# Altium PCB NODE_ABZ.PcbDoc (part 1 of 2)
Units mm, origin at the board's own origin, x right, y up, seen from the top; angles counter-clockwise.
Board outline 34 x 50 mm, 4 copper layers (Top Layer, GND, PWR, Bottom Layer), stack 1.57 mm thick; 73 components, 55 nets, 274 pads, 253 vias.
Unrouted connection lines stored in the file: 1.
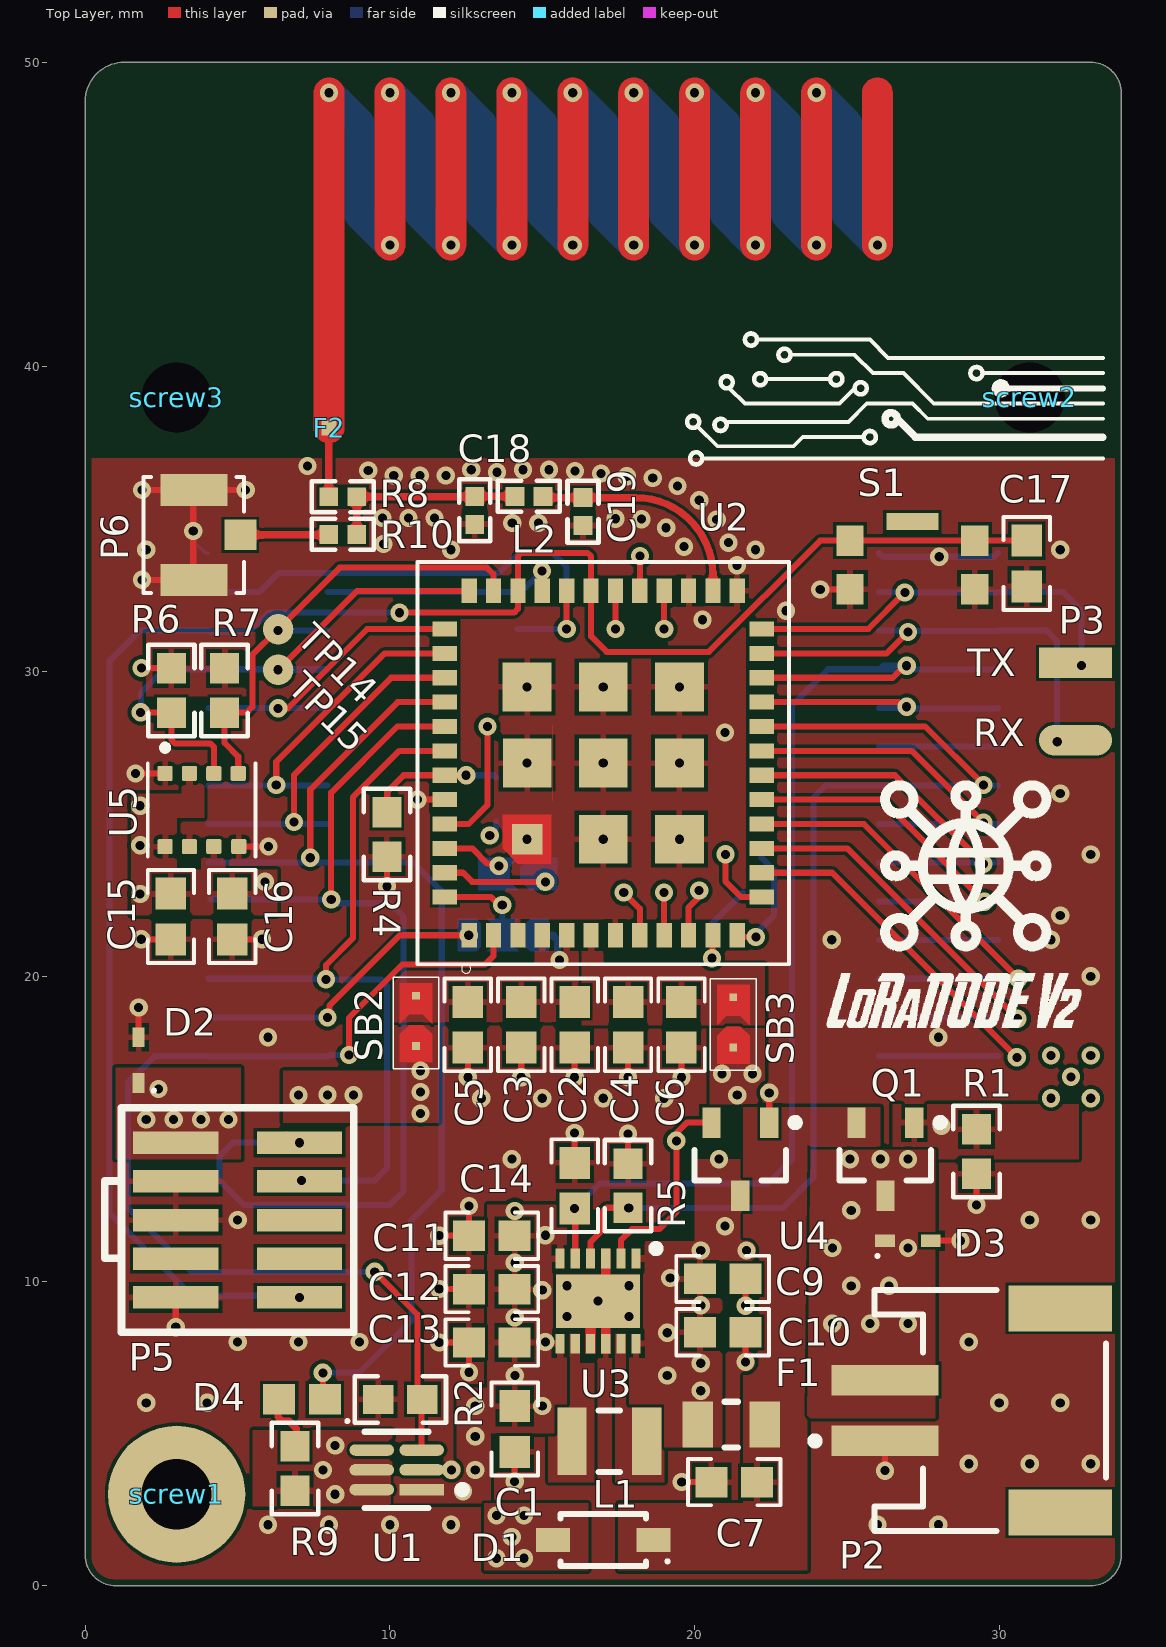
[diagram p0: Top Layer view]
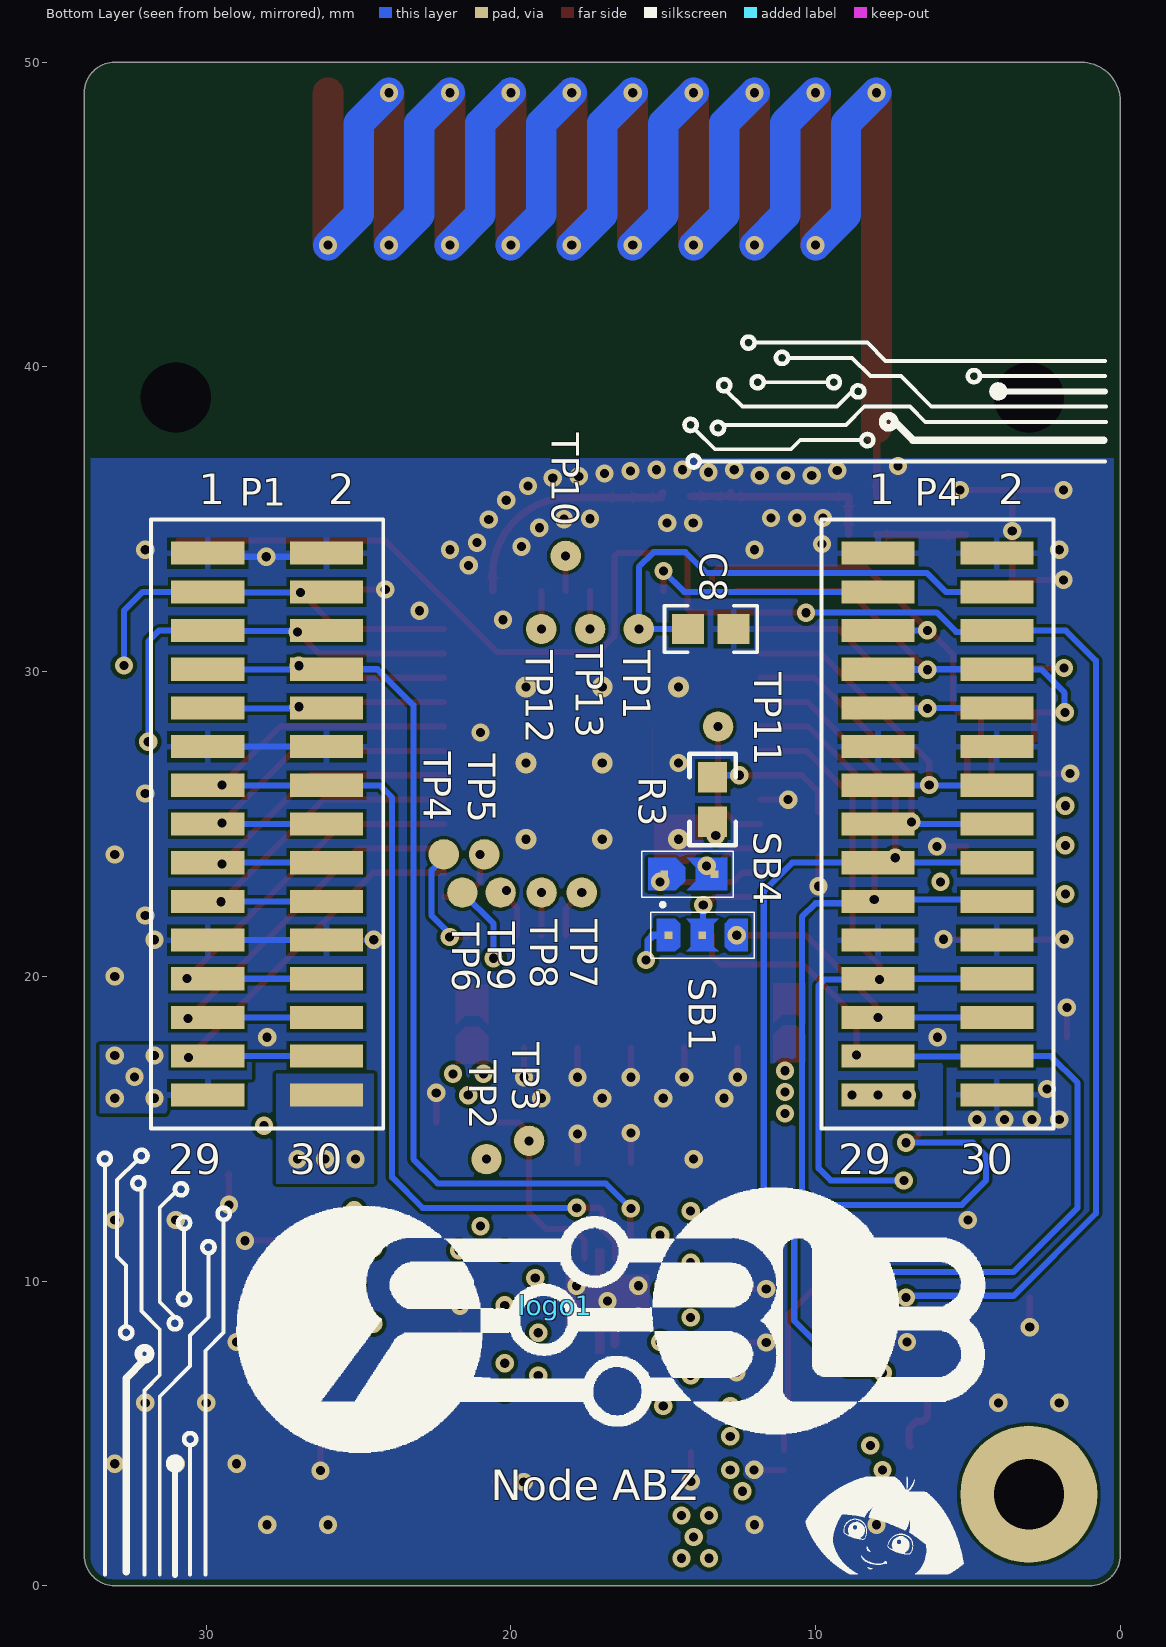
[diagram p1: Bottom Layer view, seen from below]
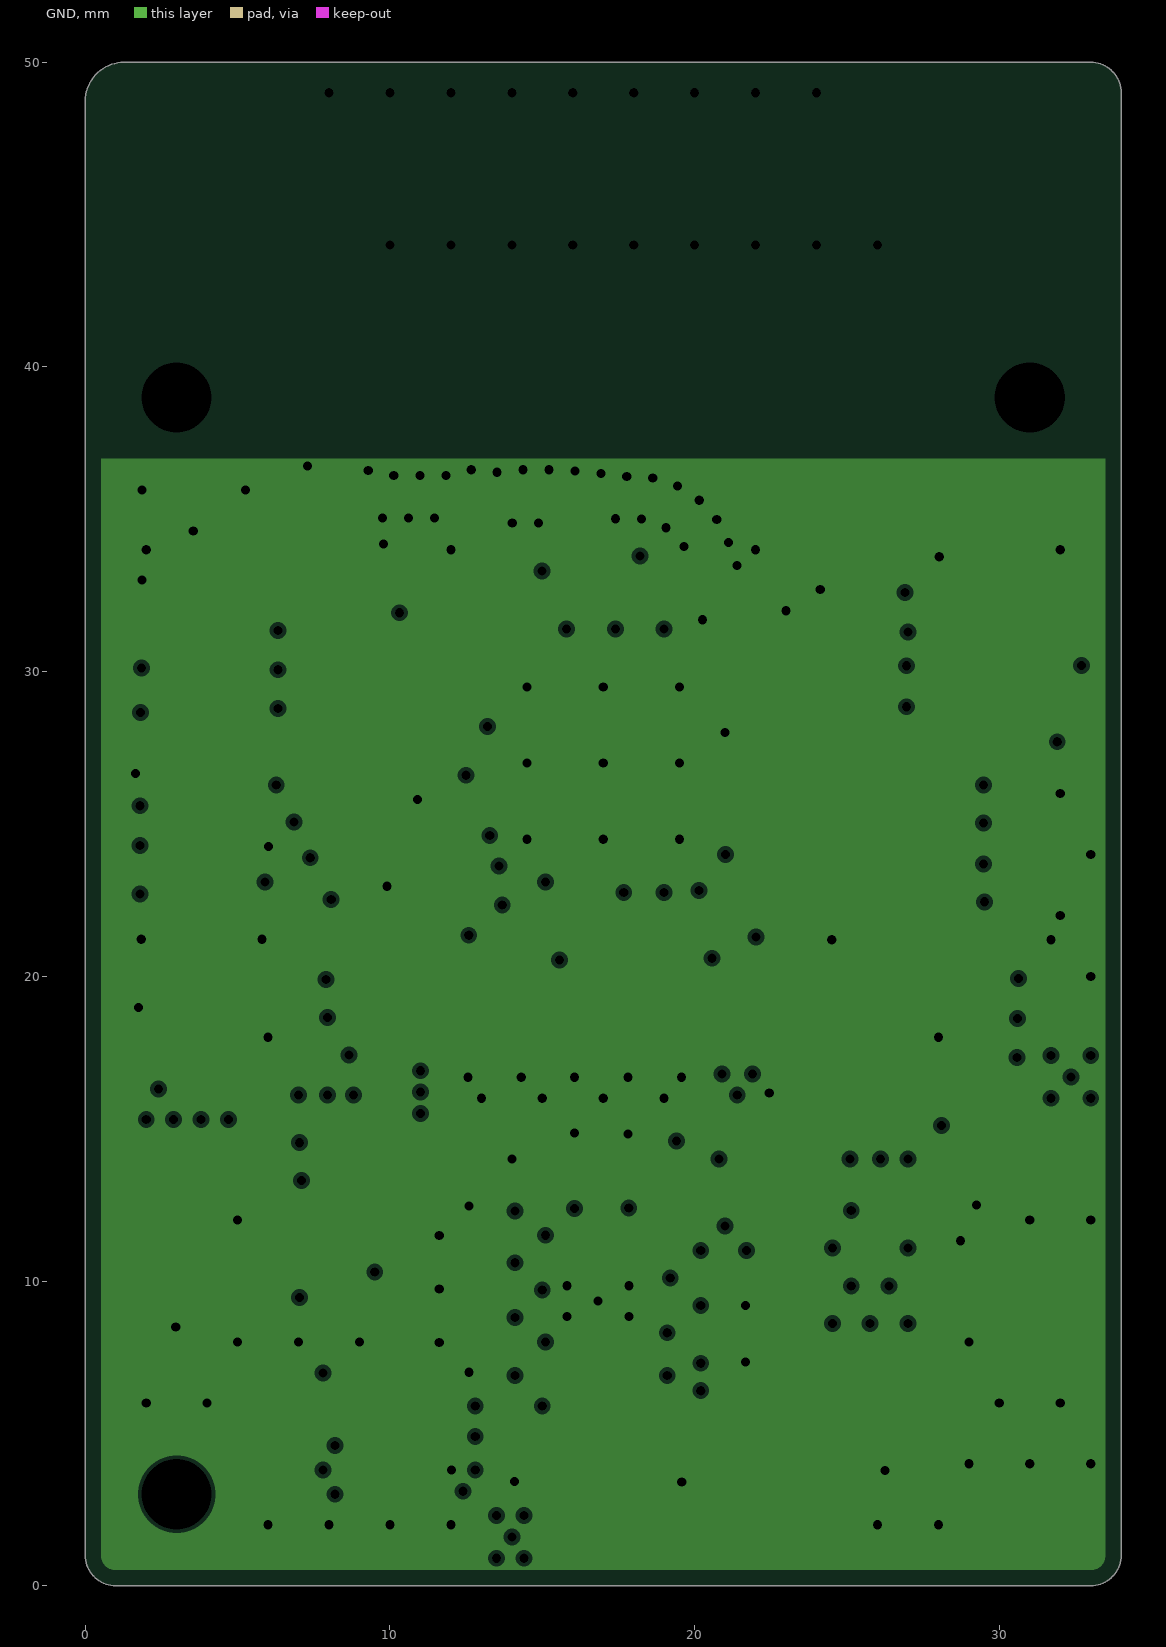
[diagram p2: GND, clearances drawn from the general rule]
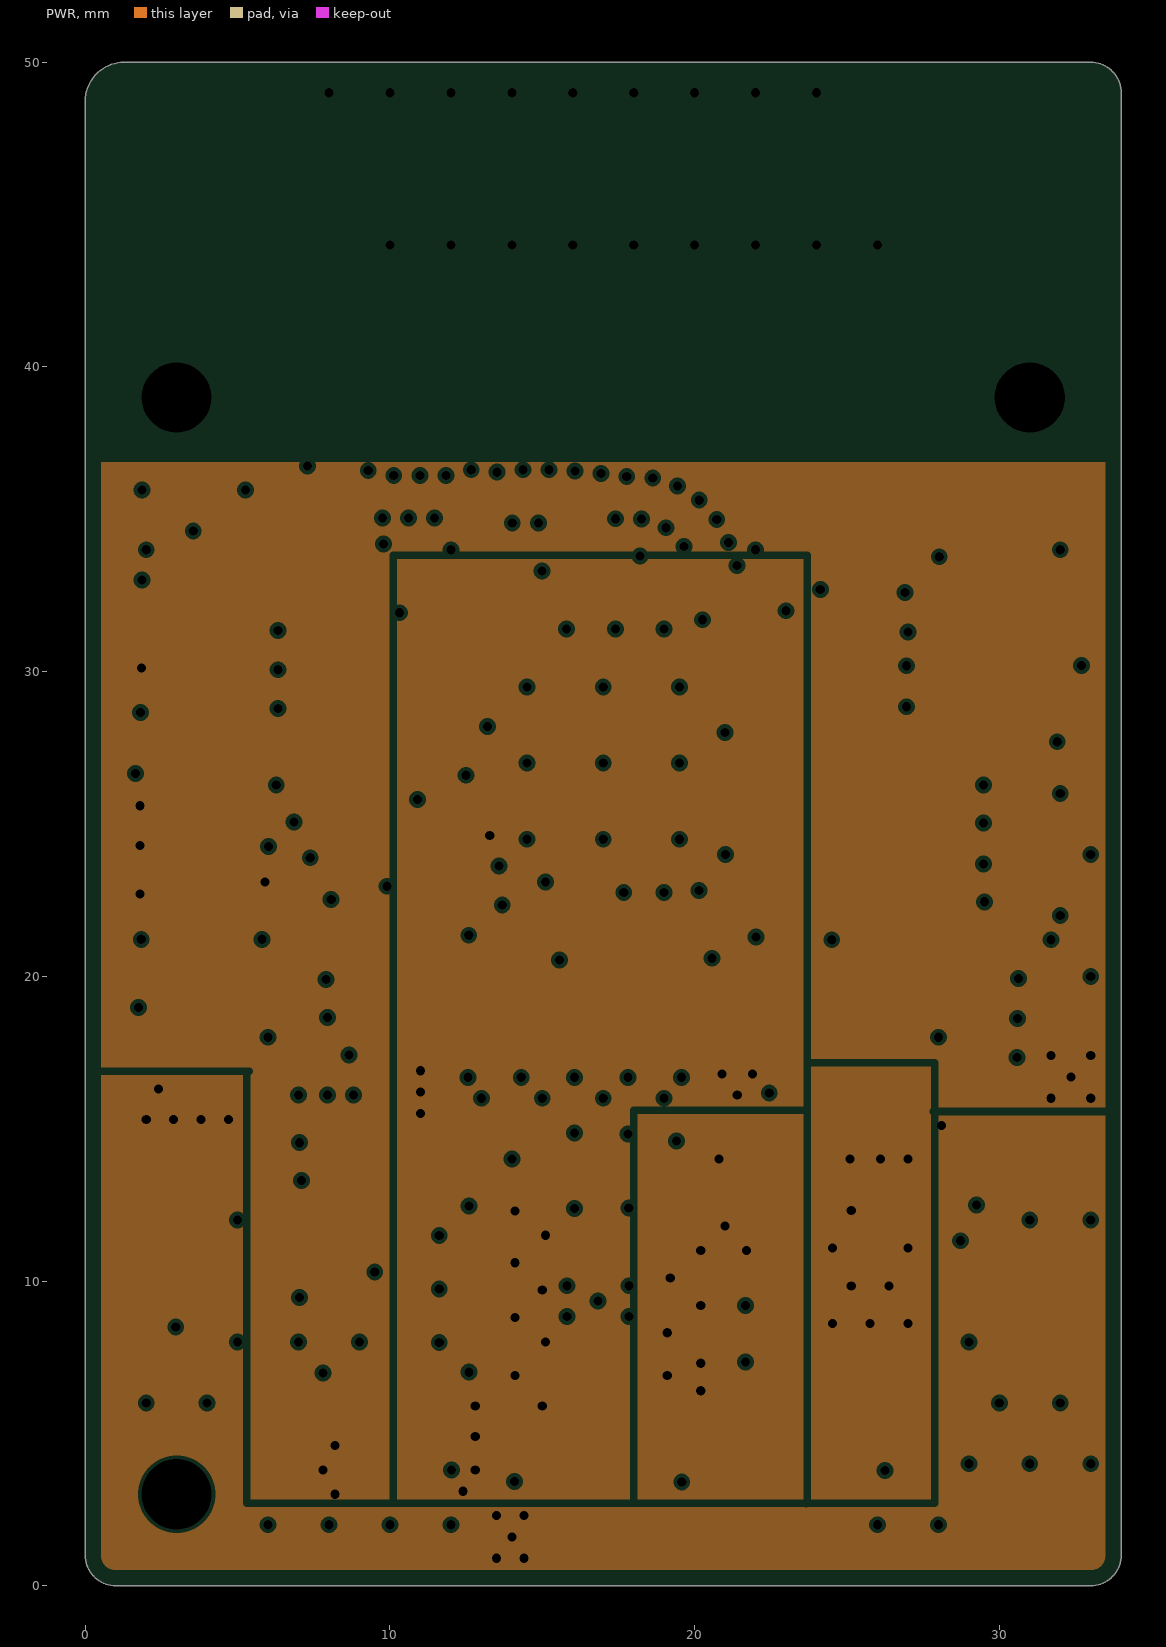
[diagram p3: PWR, clearances drawn from the general rule]
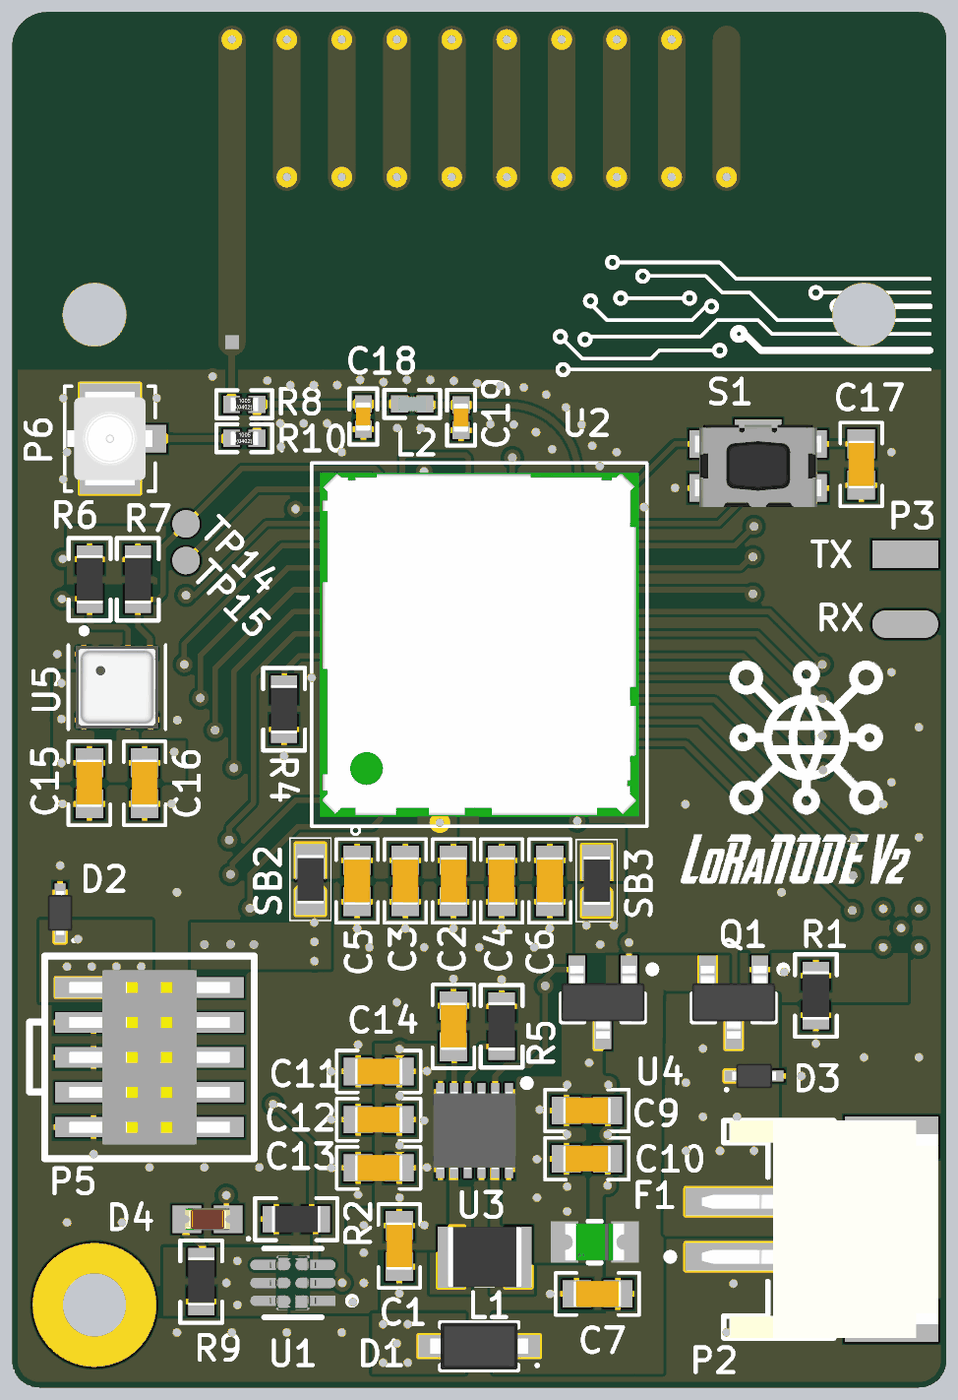
[diagram p5: 3D render of the assembled board from above, using the file's embedded part models]
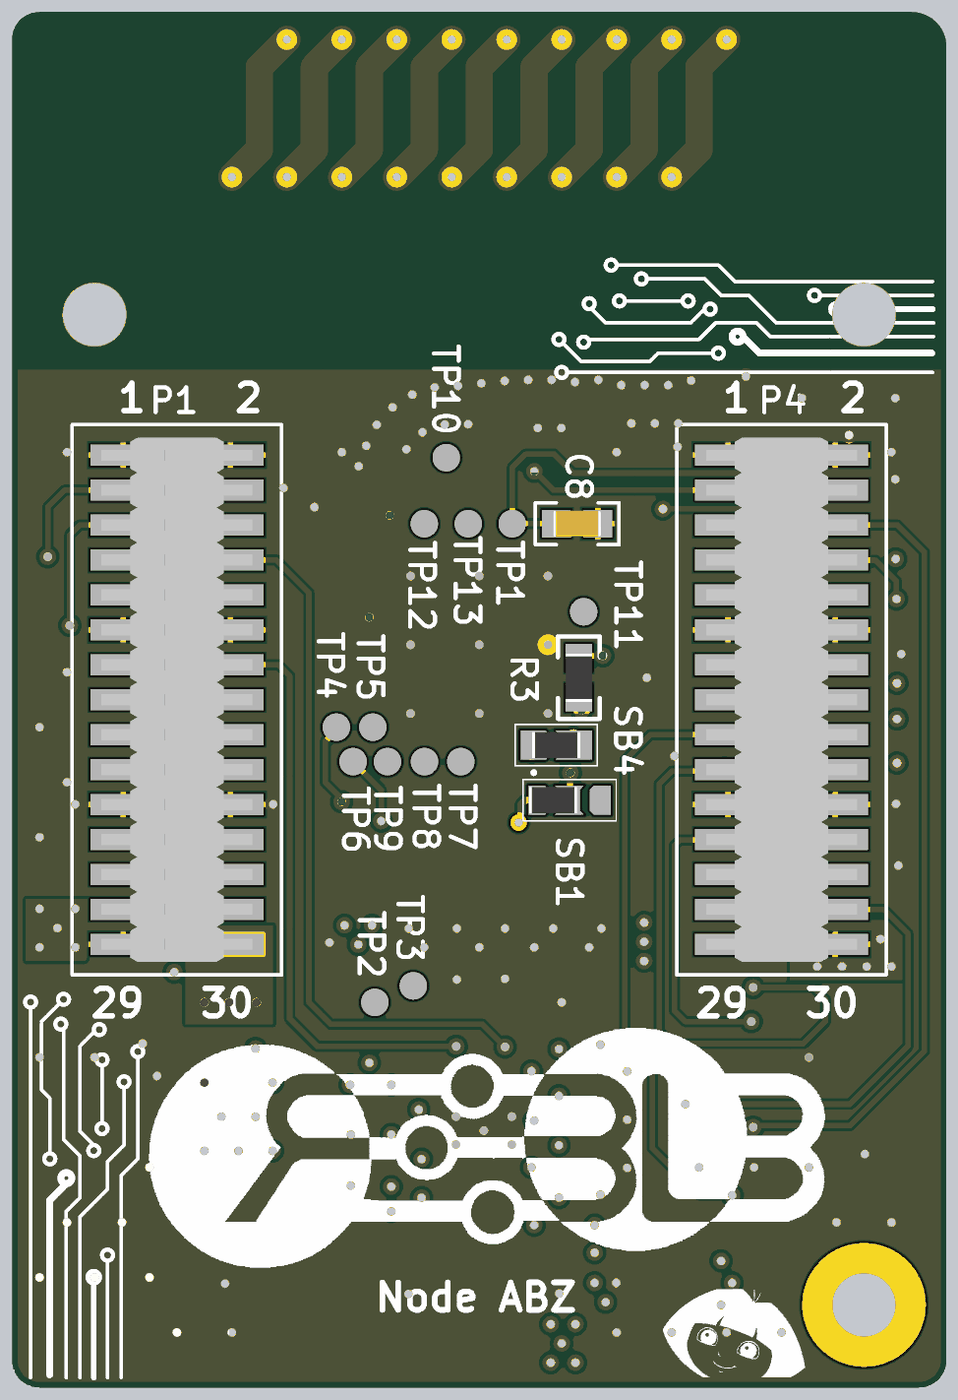
[diagram p6: 3D render of the assembled board from below, using the file's embedded part models]

## Layer stack, top to bottom
Top Solder: solder mask 0.0127, Solder Resist, Dk 3.8
Top Layer: signal copper 0.035
Dielectric 1: prepreg 0.2, 7628, Dk 4.6
GND: plane copper 0.0175, net GND
Core: core 1.065, FR-4, Dk 4.5
PWR: plane copper 0.0175, net (Multiple Nets)
Dielectric 2: prepreg 0.2, 7628, Dk 4.6
Bottom Layer: signal copper 0.035
Bottom Solder: solder mask 0.0127, Solder Resist, Dk 3.8

## Board outline
0,1 ccw(c1,1) 1,0 33,0 ccw(c33,1) 34,1 34,49 ccw(c33,49) 33,50 1.27,50 ccw(c1.27,48.73) 0,48.73

## Design rules (kind name [scope] priority, off if disabled: settings)
BoardOutlineClearance [All] p1: gap=0.2 ignorepadtopadclearanceinfootprint=FALSE
Clearance [All] p1: gap=0.102 ignorepadtopadclearanceinfootprint=FALSE except(0.127: Arc-Via Track-Via SMDPad-Via THPad-Via Via-Via Via-Fill Via-Poly Via-Region Via-Text; 0.25: Arc-Hole Track-Hole SMDPad-Hole THPad-Hole Via-Hole Fill-Hole Poly-Hole Region-Hole Text-Hole)
ComponentClearance [All] p1: gap=0.102 collisioncheckmode=3 verticalgap=0.102 showdistances=TRUE
DiffPairsRouting [All] p1: maxlimit=0.102 minlimit=0.102 mostfreqgap=0.102 toplayer_minwidth=0.102 toplayer_maxwidth=1816.048 toplayer_prefwidth=0.102 bottomlayer_minwidth=0.102 bottomlayer_maxwidth=1816.048 bottomlayer_prefwidth=0.102 maxuncoupledlength=12.7
Height [All] p1: minheight=0 maxheight=1816.048 prefheight=12.7
HoleSize [All] p1: absolutevalues=TRUE maxlimit=6.3 minlimit=0.2 maxpercent=80.000 minpercent=20.000
HoleToHoleClearance [All] p1: gap=0.25 allowstackedmicrovias=FALSE
MinimumAnnularRing [All] p1: minimumring=0.076
MinimumSolderMaskSliver [All] p1: minsoldermaskwidth=0
PlaneClearance [All] p1: clearance=0.127
PlaneConnect PlaneConnectPowerPads [InPadClass('PowerPads')] p1: planeconnectstyle=Direct reliefexpansion=0.508 reliefentries=4 reliefconductorwidth=0.254 reliefairgap=0.254
PlaneConnect [All] p2: pad.planeconnectstyle=Relief pad.reliefexpansion=0.3 pad.reliefentries=4 pad.reliefconductorwidth=0.2 pad.reliefairgap=0.2 via.planeconnectstyle=Direct via.reliefexpansion=0.3 via.reliefentries=4 via.reliefconductorwidth=0.127 via.reliefairgap=0.127
PolygonConnect PolygonConnectPowerPads [All vs (InPadClass('PowerPads'))] p1: connectstyle=Direct reliefconductorwidth=0.254 reliefentries=4 polygonreliefangle="90 Angle" airgapwidth=0.254
PolygonConnect [All] p2: thpad.connectstyle=Relief thpad.reliefconductorwidth=0.2 thpad.reliefentries=4 thpad.polygonreliefangle="90 Angle" thpad.airgapwidth=0.127 smdpad.connectstyle=Relief smdpad.reliefconductorwidth=0.2 smdpad.reliefentries=4 smdpad.polygonreliefangle="90 Angle" smdpad.airgapwidth=0.127 via.connectstyle=Direct via.reliefconductorwidth=0.127 via.reliefentries=4 via.polygonreliefangle="90 Angle" via.airgapwidth=0.127
RoutingVias [All] p1: holewidth=0.2 width=0.45 viastyle="Through Hole" minholewidth=0.2 minwidth=0.45 maxholewidth=6.3 maxwidth=6.55
SilkToSilkClearance [All] p1: silktosilkclearance=0
SilkToSolderMaskClearance [IsPad] p1: minsilkscreentomaskgap=0.102 clearancetoexposedcopper=TRUE
SolderMaskExpansion [All] p1: expansion=0.075 istentingtop=FALSE
Width "Schematic Width Constraint" [InNetClass('50R')] p1: maxlimit=0.242 minlimit=0.242 preferedwidth=0.242 impedanceprofiledriven=TRUE impedanceprofileid={4902B9BE-7493-4455-9E79-21E7D309FB5E} impedanceprofilevalue=50.000000 minimp=50.000000 maximp=50.000000 favimp=50.000000
Width [All] p2: maxlimit=1816.048 minlimit=0.102 preferedwidth=0.102
20 further rules are at their usual default settings.

## Classes and differential pairs
net class 50R: ANT NetC18_2 NetP6_1

## Components (designator, comment, footprint, x,y, rotation, side; value= is the part's Value field where it differs from the comment)
C1 "1uF 0603" CAP_SMD_0603 14.091,5.142 r90 top
C2 "0.1uF 0603" CAP_SMD_0603 16.062,18.411 r90 top
C3 "10nF 0603" CAP_SMD_0603 14.309,18.411 r90 top
C4 "10nF 0603" CAP_SMD_0603 17.815,18.411 r90 top
C5 "1uF 0603" CAP_SMD_0603 12.556,18.411 r90 top
C6 "1uF 0603" CAP_SMD_0603 19.568,18.411 r90 top
C7 "1uF 0603" CAP_SMD_0603 21.3,3.4 r0 top
C8 "1uF 0603" CAP_SMD_0603 13.436,31.4 r180 bottom
C9 "0.1uF 0603" CAP_SMD_0603 20.92,10.067 r180 top
C10 "1uF 0603" CAP_SMD_0603 20.92,8.314 r180 top
C11 "0.1uF 0603" CAP_SMD_0603 13.341,11.488 r0 top
C12 "22UF 0603" CAP_SMD_0603 13.341,9.735 r0 top
C13 "1uF 0603" CAP_SMD_0603 13.341,7.982 r0 top
C14 "0.1uF 0603" CAP_SMD_0603 16.062,13.129 r270 top
C15 "10nF 0603" CAP_SMD_0603 2.811,21.965 r90 top
C16 "10nF 0603" CAP_SMD_0603 4.827,21.965 r90 top
C17 "0.1uF 0603" CAP_SMD_0603 30.903,33.55 r270 top
C18 "NM 0402" CAP_SMD_0402 12.784,35.294 r90 top
C19 "NM 0402" CAP_SMD_0402 16.336,35.254 r90 top
D1 "PMEG4010CEGWX" SODFL358X130-2N 17,1.5 r0 top
D2 "ESD5Z7" SODFL160X70-2N 1.75,17.25 r270 top
D3 "ESD5Z7" SODFL160X70-2N 27,11.323 r180 top
D4 "0603 RED" DIODE_LED_SMD_0603 7.113,6.116 r0 top
F1 "6V 0.75A" FP-0ZCK0075FF2E-MFG 21.2,5.287 r180 top
F2 "Helical 868-915Mhz" Helical_868-915MHZ 7.5,37.5 r0 top locked
L1 "2.2uH 1008" IND_SMD_1008 17.2,4.742 r180 top
L2 "NM 0402" IND_SMD_0402 14.56,35.754 r0 top
logo1 "Node ABZ" Robolabo10x25 18.529,9.207 r180 bottom
P1 "-" CONN-2X15-1.27-MALE-RECT-SMD 28,25 r270 bottom locked
P2 "Battery" "JST- S2B-PH-SM4-TB(LF)(SN)-2_V" 29.7,5.75 r90 top
P3 "UART" CONN-1X2-2.54-PCB 32.5,30.29 r270 top
P4 "-" CONN-2X15-1.27-MALE-RECT-SMD 6,25 r270 bottom locked
P5 "Debug" CONN-2X5-1.27-PCB 5,12 r270 top
P6 "SMA" ULFConnector 3.562,34.489 r90 top
Q1 "SI2369DS" SOT95P237X120-3N 26.261,14 r270 top
R1 "100K 0603" RES_SMD_0603 29.25,14.25 r270 top
R2 "100K 0603" RES_SMD_0603 10.339,6.116 r0 top
R3 "0R 0603" RES_SMD_0603 13.376,25.803 r270 bottom
R4 "10K 1% 0603" RES_SMD_0603 9.899,24.656 r270 top
R5 "100K 0603" RES_SMD_0603 17.815,13.129 r270 top
R6 "4K7R 0603" RES_SMD_0603 2.823,29.38 r90 top
R7 "4K7R 0603" RES_SMD_0603 4.574,29.38 r90 top
R8 "0R 0603" RED_SMD_0402 8.451,35.743 r0 top
R9 "470R 0603 1%" RES_SMD_0603 6.883,3.848 r270 top
R10 "0R 0603" RED_SMD_0402 8.451,34.506 r0 top
S1 "SPST 4.6x2.8mm" KMR4_CK_SWITCH 27.15,33.5 r0 top
SB1 "-" 0603_SB_3P 13.714,21.35 r180 bottom
SB2 "fitted" 0603_SB_2P 10.854,18.473 r90 top
SB3 "fitted" 0603_SB_2P 21.27,18.425 r90 top
SB4 "fitted" 0603_SB_2P 14.2,23.352 r180 bottom
screw1 "M2" M2 3,3 r90 top
screw2 "M2" M2_NOPAD 31,47 r90 top
screw3 "M2" M2_NOPAD 3,47 r90 top
TP1 "-" TP_1MM 15.8,31.4 r180 bottom
TP2 "-" TP_1MM 20.8,14 r90 bottom
TP3 "-" TP_1MM 19.4,14.6 r90 bottom locked
TP4 "-" TP_1MM 22.2,24.003 r90 bottom locked
TP5 "-" TP_1MM 20.872,24.003 r90 bottom locked
TP6 "-" TP_1MM 21.591,22.751 r90 bottom locked
TP7 "-" TP_1MM 17.672,22.751 r90 bottom locked
TP8 "-" TP_1MM 18.993,22.751 r90 bottom locked
TP9 "-" TP_1MM 20.339,22.751 r90 bottom locked
TP10 "-" TP_1MM 18.2,33.8 r90 bottom locked
TP11 "-" TP_1MM 13.2,28.2 r90 bottom locked
TP12 "-" TP_1MM 19,31.4 r90 bottom
TP13 "-" TP_1MM 17.4,31.4 r90 bottom locked
TP14 "-" TP_1MM 6.329,31.394 r90 top locked
TP15 "-" TP_1MM 6.329,30.061 r90 top locked
U1 "TPS22919DCKR" FP-DCK0006A-IPC_B 10.22,3.802 r180 top
U2 "CMWX1ZZABZ-078" XCVR_CMWX1ZZABZ-078 17,27 r90 top locked
U3 "RP605K333B" SON50P270X300X60-13N 16.831,9.338 r270 top
U4 "TPS3839K33" SOT95P237X120-3N 21.5,14 r270 top
U5 "BME680" PSON80P300X300X100-8N 3.819,25.459 r90 top

## Footprints (in the part's own frame and the unit in brackets; to place one, negate y for a bottom-side part, rotate by r counter-clockwise, add the part's x,y. Pads: shape width x height; smd on the part's side, far side on the other; paste and mask are expansions set on the pad)
0603_SB_2P [mil] "Solder brige SMD 2p"
  rect 10x10 smd: 1(-30,0) 2(34.87,0)
  Top Layer region: -1.13,-21 10.87,-9 10.87,9 -1.13,21 51.18,21 51.18,-21
  Top Layer region: -51,21 -15,21 -3,9 -3,-9 -15,-21 -51,-21
  silkscreen extent -59,-30 59,30, body extent -34,-19 34,19, height 22
0603_SB_3P [mil] "Solder bridge smd 3P"
  rect 10x10 smd: 1(-43.87,0) 2(0,0) 3(43.87,0)
  Top Layer region: -58.87,21 -34.87,21 -28.87,15 -28.87,-15 -34.87,-21 -58.87,-21
  Top Layer region: 28.87,-15 34.87,-21 58.87,-21 58.87,21 34.87,21 28.87,15
  Top Layer region: -21,-21 21,-21 15,-15 15,15 21,21 -21,21 -15,15 -15,-15
  silkscreen extent -67,-30 67,41, body extent -58,-19 11,19, height 22
CAP_SMD_0402 [mm]
  rect 0.62x0.62 smd: 1(-0.46,0) 2(0.46,0)
  silkscreen extent -1.02,-0.51 1.02,0.51, body extent -0.53,-0.28 0.53,0.28, height 0.6
CAP_SMD_0603 [mm]
  rect 1.05x1 smd: 1(-0.75,0) 2(0.75,0)
  silkscreen extent -1.52,-0.76 1.52,0.76, body extent -0.87,-0.48 0.87,0.48, height 0.55
CONN-1X2-2.54-PCB [mm]
  rect 1x2.4 smd: 1(0,0)
  oval 1x2.4 smd: 2(2.54,0)
CONN-2X5-1.27-PCB [mil]
  rect 29x110 smd mask+2: 1(-100,-80) 2(-100,80) 3(-50,-80) 4(-50,80) 5(0,-80) 6(0,80) 7(50,-80) 8(50,80) 9(100,-80) 10(100,80)
  silkscreen extent -145,-150 145,150, body extent -125,-115 125,115, height 235
CONN-2X15-1.27-MALE-RECT-SMD [mm]
  rect 0.76x2.4 smd: 1(-8.89,-1.95) 2(-8.89,1.95) 3(-7.62,-1.95) 4(-7.62,1.95) 5(-6.35,-1.95) 6(-6.35,1.95) 7(-5.08,-1.95) 8(-5.08,1.95) 9(-3.81,-1.95) 10(-3.81,1.95) 11(-2.54,-1.95) 12(-2.54,1.95) 13(-1.27,-1.95) 14(-1.27,1.95) 15(0,-1.95) 16(0,1.95) 17(1.27,-1.95) 18(1.27,1.95) 19(2.54,-1.95) 20(2.54,1.95) 21(3.81,-1.95) 22(3.81,1.95) 23(5.08,-1.95) 24(5.08,1.95) 25(6.35,-1.95) 26(6.35,1.95) 27(7.62,-1.95) 28(7.62,1.95) 29(8.89,-1.95) 30(8.89,1.95)
  silkscreen extent -10,-3.81 10,3.81, body extent -9.53,-2.75 9.52,2.75, height 4.5
DIODE_LED_SMD_0603 [mm]
  rect 1.05x1 smd: 1(-0.75,0) 2(0.75,0)
  silkscreen extent 1.44,-0.76 1.54,-0.66, body extent -0.81,-0.4 0.81,0.4, height 0.6
FP-0ZCK0075FF2E-MFG [mm]
  rect 1x1.5 smd paste+0 mask+0: 1(-1.1,0) 2(1.1,0)
  silkscreen extent -0.23,-0.75 0.23,0.75, body extent -1.7,-0.85 1.7,0.85, height 0.25
FP-DCK0006A-IPC_B [mm]
  rect 1.464x0.376 smd paste+0 mask+0: 1(-0.82,0.65)
  rrect100% 1.464x0.376 smd paste+0 mask+0: 2(-0.82,0) 3(-0.82,-0.65) 4(0.82,-0.65) 5(0.82,0) 6(0.82,0.65)
  silkscreen extent -2.28,-1.25 1.05,1.25, body extent -1.8,-1.25 1.8,1.25, height 0.25
Helical_868-915MHZ [mm]
  rect 0.5x0.5 smd paste+0 mask+0: 1(0.5,0.5)
  Top Layer region: 0.5,12 0.5,12 0.309,11.962 0.146,11.854 0.038,11.691 0,11.5 0,11.5 0,0.5 0.038,0.309 0.146,0.146 0.309,0.038 0.5,0 0.5,0 0.5,0 0.691,0.038 0.854,0.146 0.962,0.309 1,0.5 1,0.5 1,11.5 0.962,11.691 0.854,11.854 0.691,11.962 0.5,12
  Top Layer region: 2.5,12 2.5,12 2.309,11.962 2.146,11.854 2.038,11.691 2,11.5 2,11.5 2,6.5 2.038,6.309 2.146,6.146 2.309,6.038 2.5,6 2.5,6 2.5,6 2.691,6.038 2.854,6.146 2.962,6.309 3,6.5 3,6.5 3,11.5 2.962,11.691 2.854,11.854 2.691,11.962 2.5,12
  Top Layer region: 4.5,12 4.5,12 4.309,11.962 4.146,11.854 4.038,11.691 4,11.5 4,11.5 4,6.5 4.038,6.309 4.146,6.146 4.309,6.038 4.5,6 4.5,6 4.5,6 4.691,6.038 4.854,6.146 4.962,6.309 5,6.5 5,6.5 5,11.5 4.962,11.691 4.854,11.854 4.691,11.962 4.5,12
  Top Layer region: 6.5,12 6.5,12 6.309,11.962 6.146,11.854 6.038,11.691 6,11.5 6,11.5 6,6.5 6.038,6.309 6.146,6.146 6.309,6.038 6.5,6 6.5,6 6.5,6 6.691,6.038 6.854,6.146 6.962,6.309 7,6.5 7,6.5 7,11.5 6.962,11.691 6.854,11.854 6.691,11.962 6.5,12
  Top Layer region: 8.5,12 8.5,12 8.309,11.962 8.146,11.854 8.038,11.691 8,11.5 8,11.5 8,6.5 8.038,6.309 8.146,6.146 8.309,6.038 8.5,6 8.5,6 8.5,6 8.691,6.038 8.854,6.146 8.962,6.309 9,6.5 9,6.5 9,11.5 8.962,11.691 8.854,11.854 8.691,11.962 8.5,12
  Top Layer region: 10.5,12 10.5,12 10.309,11.962 10.146,11.854 10.038,11.691 10,11.5 10,11.5 10,6.5 10.038,6.309 10.146,6.146 10.309,6.038 10.5,6 10.5,6 10.5,6 10.691,6.038 10.854,6.146 10.962,6.309 11,6.5 11,6.5 11,11.5 10.962,11.691 10.854,11.854 10.691,11.962 10.5,12
  Top Layer region: 12.5,12 12.5,12 12.309,11.962 12.146,11.854 12.038,11.691 12,11.5 12,11.5 12,6.5 12.038,6.309 12.146,6.146 12.309,6.038 12.5,6 12.5,6 12.5,6 12.691,6.038 12.854,6.146 12.962,6.309 13,6.5 13,6.5 13,11.5 12.962,11.691 12.854,11.854 12.691,11.962 12.5,12
  Top Layer region: 14.5,12 14.5,12 14.309,11.962 14.146,11.854 14.038,11.691 14,11.5 14,11.5 14,6.5 14.038,6.309 14.146,6.146 14.309,6.038 14.5,6 14.5,6 14.5,6 14.691,6.038 14.854,6.146 14.962,6.309 15,6.5 15,6.5 15,11.5 14.962,11.691 14.854,11.854 14.691,11.962 14.5,12
  Top Layer region: 16.5,12 16.5,12 16.309,11.962 16.146,11.854 16.038,11.691 16,11.5 16,11.5 16,6.5 16.038,6.309 16.146,6.146 16.309,6.038 16.5,6 16.5,6 16.5,6 16.691,6.038 16.854,6.146 16.962,6.309 17,6.5 17,6.5 17,11.5 16.962,11.691 16.854,11.854 16.691,11.962 16.5,12
  Top Layer region: 18.5,12 18.5,12 18.309,11.962 18.146,11.854 18.038,11.691 18,11.5 18,11.5 18,6.5 18.038,6.309 18.146,6.146 18.309,6.038 18.5,6 18.5,6 18.5,6 18.691,6.038 18.854,6.146 18.962,6.309 19,6.5 19,6.5 19,11.5 18.962,11.691 18.854,11.854 18.691,11.962 18.5,12
  Top Layer pour cut-out: -0.5,-0.5 19.5,-0.5 19.5,12.5 -0.5,12.5
  Bottom Layer pour cut-out: -0.5,-0.5 19.5,-0.5 19.5,12.5 -0.5,12.5
  Bottom Layer lines w1: 0.5,11.5 1.5,10.5 1.5,7.5 2.5,6.5 ; 2.5,11.5 3.5,10.5 3.5,7.5 4.5,6.5 ; 4.5,11.5 5.5,10.5 5.5,7.5 6.5,6.5 ; 6.5,11.5 7.5,10.5 7.5,7.5 8.5,6.5 ; 8.5,11.5 9.5,10.5 9.5,7.5 10.5,6.5 ; 10.5,11.5 11.5,10.5 11.5,7.5 12.5,6.5 ; 12.5,11.5 13.5,10.5 13.5,7.5 14.5,6.5 ; 14.5,11.5 15.5,10.5 15.5,7.5 16.5,6.5 ; 16.5,11.5 17.5,10.5 17.5,7.5 18.5,6.5
IND_SMD_0402 [mm]
  rect 0.62x0.62 smd: 1(-0.46,0) 2(0.46,0)
  silkscreen extent -1.02,-0.51 1.02,0.51, body extent -0.5,-0.3 0.5,0.3, height 0.51
IND_SMD_1008 [mm]
  rect 0.96x2.22 smd: 1(-1.225,0) 2(1.225,0)
  silkscreen extent -0.35,-1.01 0.35,1.01, body extent -1.35,-1.1 1.35,1.1, height 1
"JST- S2B-PH-SM4-TB(LF)(SN)-2_V" [mm] "SMD, 2-Leads, Body 7.9x7.6mm, Pitch 2mm"
  rect 1x3.5 smd: 1(-1,3.45) 2(1,3.45)
  rect 1.5x3.4 smd: MP1(-3.35,-2.3) MP2(3.35,-2.3)
  silkscreen extent -3.95,-3.8 3.95,5.87, body extent -3.95,-4 3.95,4.6, height 5.6
KMR4_CK_SWITCH [mm]
  rect 0.9x1 smd: 1(-2.05,0.8) 1(2.05,0.8) 2(-2.05,-0.8) 2(2.05,-0.8)
  rect 1.7x0.55 smd: GND(0,1.425)
  body extent -2.3,-1.5 2.3,1.5, height 2.1
M2 [mm] "screw M2.5"
  round 4.5 hole 2.3: H1(0,0)
M2_NOPAD [mm] "screw M2.5"
  round 0 hole 2.3: H1(-8,0)
PSON80P300X300X100-8N [mm]
  rrect25% 0.5x0.5 smd: 1(1.2,1.2) 2(1.2,0.4) 3(1.2,-0.4) 4(1.2,-1.2) 5(-1.2,-1.22) 6(-1.2,-0.4) 7(-1.2,0.4) 8(-1.2,1.2)
  silkscreen extent -1.53,-1.77 2.14,1.77, body extent -1.5,-1.5 1.5,1.5, height 1
RED_SMD_0402 [mm]
  rect 0.62x0.62 smd: 1(-0.46,0) 2(0.46,0)
  silkscreen extent -1.02,-0.51 1.02,0.51, body extent -0.5,-0.25 0.5,0.25, height 0.35
RES_SMD_0603 [mm]
  rect 1x0.95 smd: 1(-0.725,0) 2(0.725,0)
  silkscreen extent -1.5,-0.76 1.5,0.76, body extent -0.87,-0.48 0.87,0.48, height 0.55
Robolabo10x25 [mm]
  silkscreen extent -10.48,-4.84 14.11,3.84
SODFL160X70-2N [mm] "SODFL, 2-Leads, Body 0.80x1.60mm, IPC Medium Density"
  rect 0.65x0.4 smd: 1(-0.75,0) 2(0.75,0)
  silkscreen extent 0.95,0.45 1.05,0.55, body extent -0.8,-0.45 0.8,0.45, height 0.7
SODFL358X130-2N [mm] "SODFL, 2-Leads, Body 1.60x3.58mm, IPC Medium Density"
  rect 1.12x0.8 smd: 1(-1.65,0) 2(1.65,0)
  silkscreen extent -1.4,-0.85 2.16,0.85, body extent -1.79,-0.85 1.79,0.85, height 1.3
SON50P270X300X60-13N [mm]
  rect 0.65x0.3 smd: 1(-1.4,1.25) 2(-1.4,0.75) 3(-1.4,0.25) 4(-1.4,-0.25) 5(-1.4,-0.75) 6(-1.4,-1.25) 7(1.4,-1.25) 8(1.4,-0.75) 9(1.4,-0.25) 10(1.4,0.25) 11(1.4,0.75) 12(1.4,1.25)
  rect 1.75x2.75 smd: 13(0,0)
  Top Layer region: -0.875,1.375 0.875,1.375 0.875,-1.375 -0.875,-1.375
  silkscreen extent -1.85,1.78 -1.6,2.02, body extent -1.4,-1.5 1.4,1.5, height 0.6
SOT95P237X120-3N [mm] "SOT23, 3-Leads, Body 2.92x2.37mm, Pitch 0.95mm, IPC Medium Density"
  rect 1x0.6 smd: 1(-1.2,0.95) 2(-1.2,-0.95) 3(1.2,0)
  silkscreen extent -1.32,-1.5 0.7,1.93, body extent -1.32,-1.52 1.32,1.52, height 1.2
TP_1MM [mm]
  round 1 smd: 1(0,0)
ULFConnector [mm]
  rect 1x1.05 smd: 1(0,-1.525)
  rect 1.05x2.2 smd: 2(-1.475,0) 2(1.475,0)
  silkscreen extent -1.91,-1.65 1.91,1.65, body extent -1.7,-1.55 1.7,1.55, height 1.25
XCVR_CMWX1ZZABZ-078 [mm]
  rect 0.8x0.5 smd: 1(-5.65,4.4) 2(-5.65,3.6) 3(-5.65,2.8) 4(-5.65,2) 5(-5.65,1.2) 6(-5.65,0.4) 7(-5.65,-0.4) 8(-5.65,-1.2) 9(-5.65,-2) 10(-5.65,-2.8) 11(-5.65,-3.6) 12(-5.65,-4.4) 25(5.65,-4.4) 26(5.65,-3.6) 27(5.65,-2.8) 28(5.65,-2) 29(5.65,-1.2) 30(5.65,-0.4) 31(5.65,0.4) 32(5.65,1.2) 33(5.65,2) 34(5.65,2.8) 35(5.65,3.6) 36(5.65,4.4)
  rect 0.5x0.8 smd: 13(-4.4,-5.2) 14(-3.6,-5.2) 15(-2.8,-5.2) 16(-2,-5.2) 17(-1.2,-5.2) 18(-0.4,-5.2) 19(0.4,-5.2) 20(1.2,-5.2) 21(2,-5.2) 22(2.8,-5.2) 23(3.6,-5.2) 24(4.4,-5.2) 37(4.4,5.2) 38(3.6,5.2) 39(2.8,5.2) 40(2,5.2) 41(1.2,5.2) 42(0.4,5.2) 43(-0.4,5.2) 44(-1.2,5.2) 45(-2,5.2) 46(-2.8,5.2) 47(-3.6,5.2) 48(-4.4,5.2)
  rect 1x1 smd: 49(-2.5,2.5)
  rect 1.6x1.6 smd: 50(0,2.497) 51(2.5,2.5) 52(-2.5,0) 53(0,0) 54(2.5,0) 55(-2.5,-2.5) 56(0,-2.5) 57(2.5,-2.5)
  Top Layer region: -1.7,1.7 -1.7,3.3 -2.8,3.3 -3.3,2.8 -3.3,1.7
  Top Layer region: -1.225,1.65 -0.975,1.65 0.975,1.65 1.225,1.65
  silkscreen extent -6.9,-6.1 6.6,6.1, body extent -6.25,-5.8 6.25,5.8, height 1.76
